# Altium PCB R32-Micro.PcbDoc (part 3 of 3)
Units mm, origin at the board's own origin, x right, y up, seen from the top; angles counter-clockwise.
Board outline 100 x 60 mm, 4 copper layers (Component Side, Ground Plane, Power Plane, Solder Side), stack 0.844 mm thick; 220 components, 197 nets, 1071 pads, 542 vias.
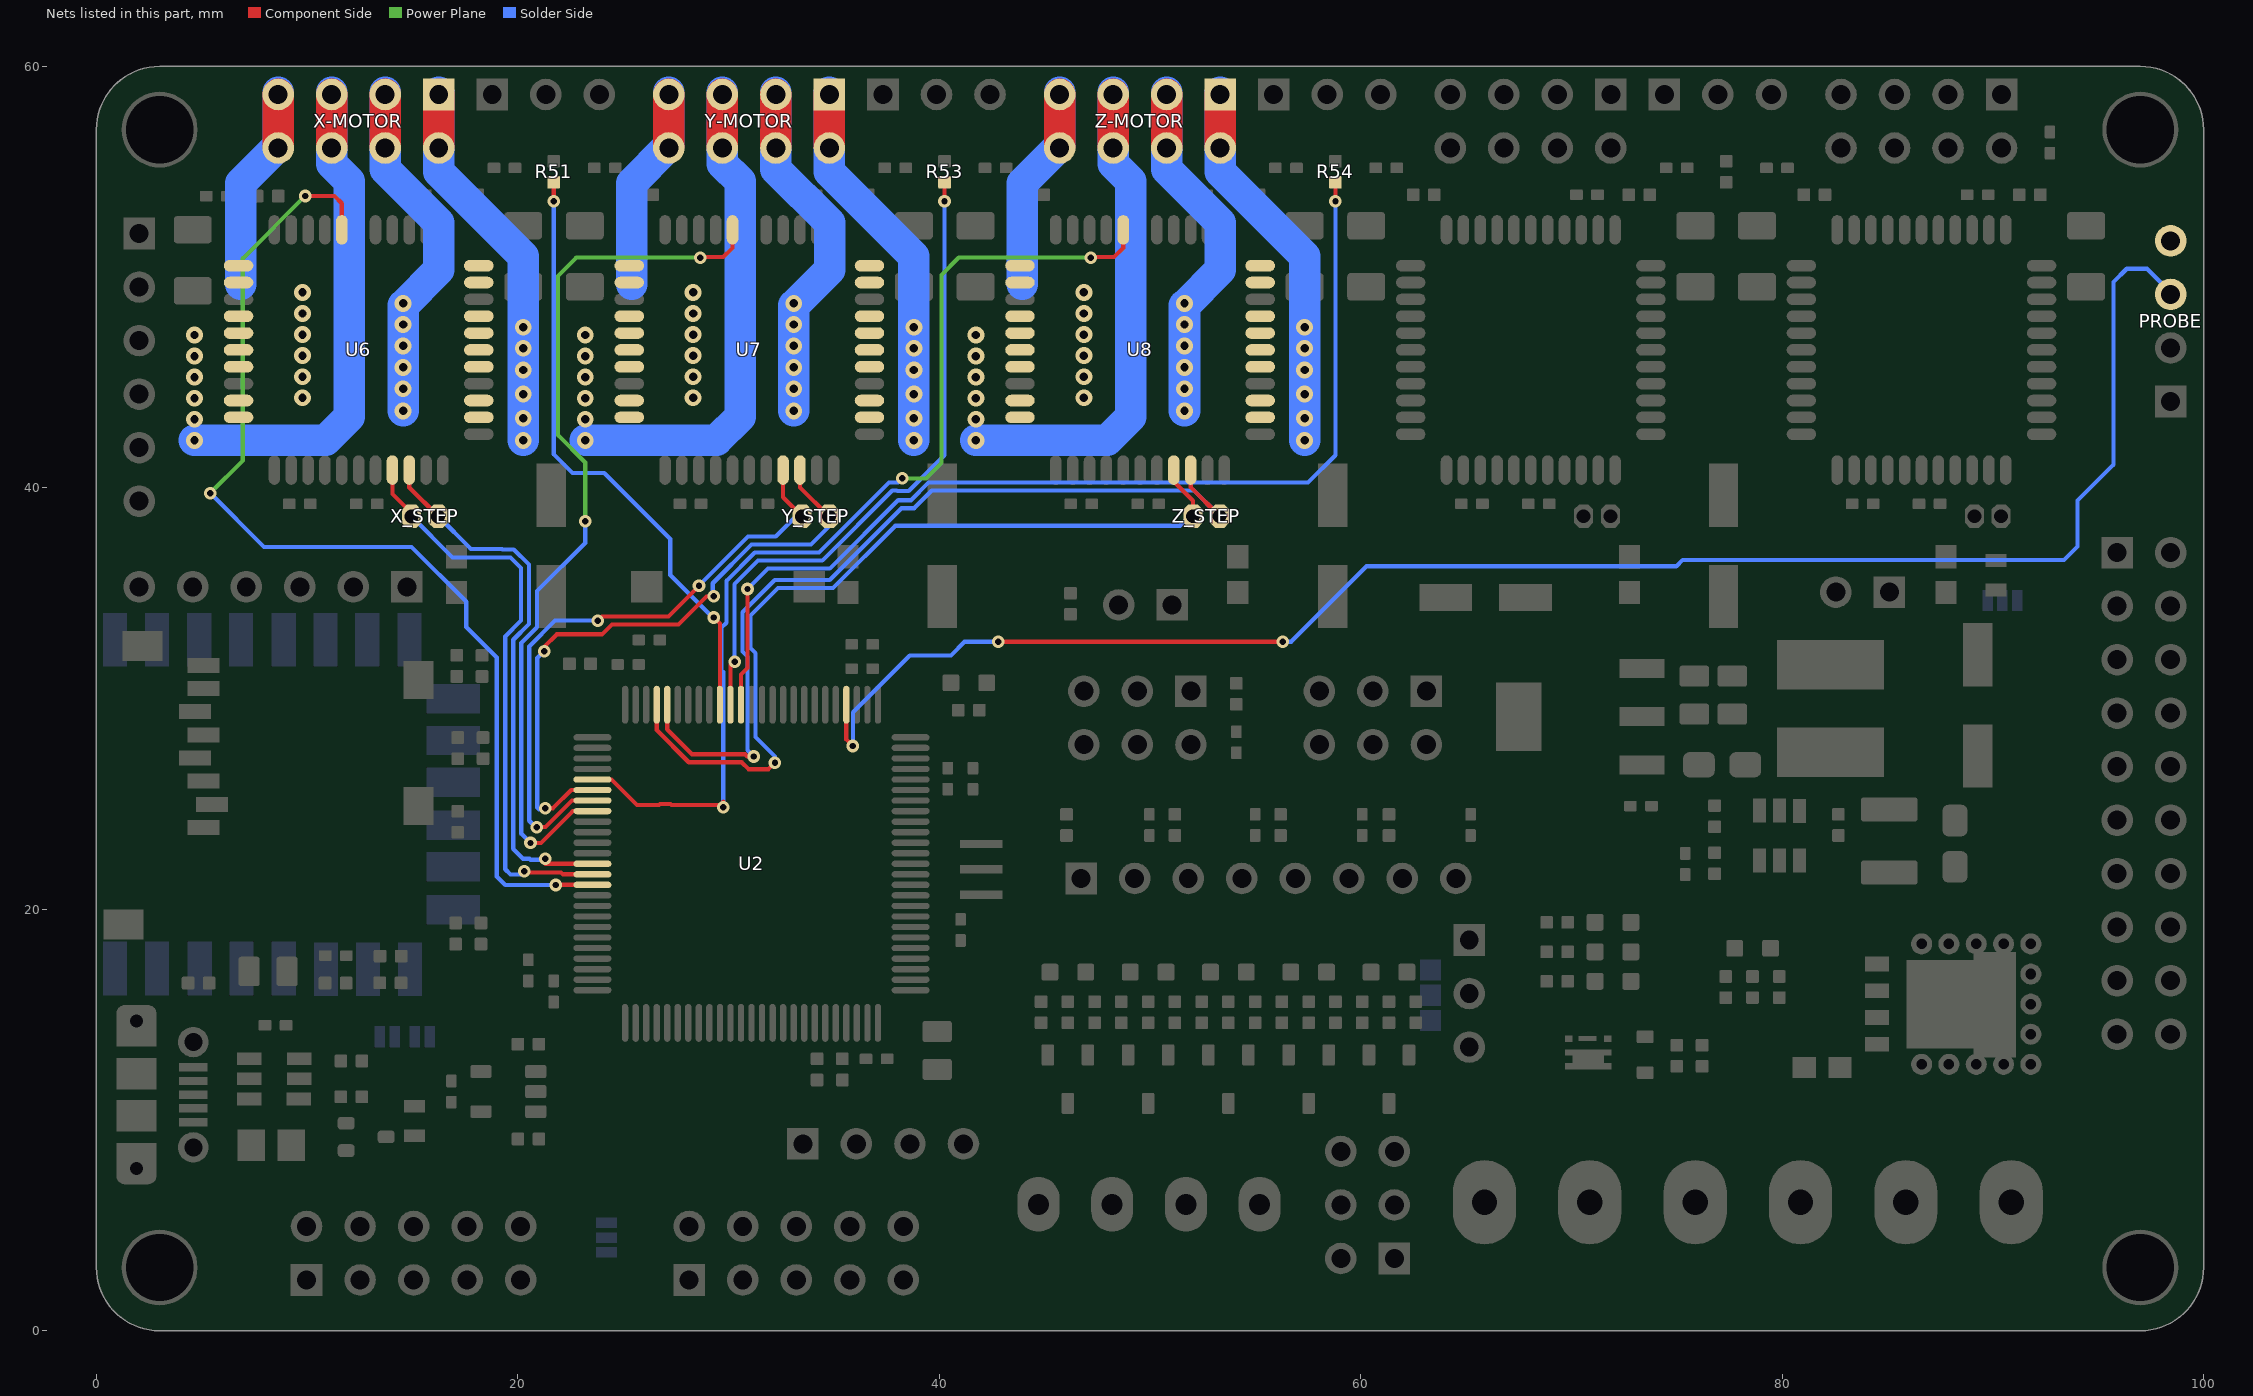
[diagram p5: the nets of this part, all layers, seen from the top]

## Via types
v1: diameter 0.6, hole 0.3, Component Side to Solder Side, tented both sides, 399 vias
v2: diameter 0.8, hole 0.4, Component Side to Solder Side, tented both sides, 132 vias
v3: diameter 1, hole 0.5, Component Side to Solder Side, tented both sides, 11 vias

## Nets (pads, with @x,y where several pads share a name; then routed paths per layer and width w, separated by ;. In a path a pad name is that pad's centre, name@x,y a point inside that pad or via, vN(x,y) a via of type N, cw(c..) or ccw(c..) an arc to the next point about the centre after c; other vN are vias at no path point) (continued)
X_CS: U2.65 U6.18 | length 51.7
  Component Side w0.2: v1(9.906,53.848) 11.303,53.848 11.646,53.505 U6.18@11.646,52.245 ; v1(21.8,21.15) 21.81,21.16 U2.65@23.54,21.16
  Power Plane w0.2: v1(5.4,39.75) 6.95,41.3 6.95,50.892 v1(9.906,53.848)
  Solder Side w0.2: v1(5.4,39.75) 7.95,37.2 14.95,37.2 17.55,34.6 17.55,33.4 19,31.95 19,21.55 19.4,21.15 v1(21.8,21.15)
X_DIR: U2.64 U6.41 X_STEP.2 | length 27.8
  Component Side w0.2: U6.41@14.046,40.845 14.046,39.704 14.95,38.8 X_STEP.2@14.95,38.65 ; v1(20.3,21.8) 20.3,21.75 22.049,21.75 22.139,21.66 U2.64@23.54,21.66
  Solder Side w0.2: X_STEP.2@14.95,38.65 16.9,36.7 19.65,36.7 20.15,36.2 20.15,33.7 19.4,32.95 19.4,21.9 19.65,21.65 20.15,21.65 v1(20.3,21.8)
X_MOT_1A: U6.5 U6.6 U6.10 U6.11 X-MOTOR.3 X-MOTOR.4 | length 19.3
  Component Side w1.5: X-MOTOR.4@13.706,56.228 X-MOTOR.3@13.706,58.668
  Solder Side w1.5: X-MOTOR.3@13.706,58.768 X-MOTOR.3@13.706,58.668 X-MOTOR.4@13.706,56.128 13.706,55.128 16.256,52.578 16.256,50.355 14.554,48.654 v2(14.554,47.752) v2(14.554,46.736) v2(14.554,45.72) v2(14.554,44.704) v2(14.554,43.654)
  other v2: 14.554,48.752
X_MOT_1B: U6.2 U6.3 U6.7 U6.8 X-MOTOR.1 X-MOTOR.2 | length 20.6
  Component Side w1.5: X-MOTOR.2@16.246,56.228 X-MOTOR.1@16.246,58.668
  Solder Side w1.5: X-MOTOR.1@16.246,58.768 X-MOTOR.1@16.246,58.668 X-MOTOR.2@16.246,56.128 16.246,55.001 20.254,50.992 v2(20.254,47.623) v2(20.254,46.623) v2(20.254,45.593) v2(20.254,44.45) v2(20.254,43.307) v2(20.254,42.254)
X_MOT_2A: U6.26 U6.27 U6.31 U6.32 X-MOTOR.5 X-MOTOR.6 | length 26
  Component Side w1.5: X-MOTOR.6@11.166,56.228 X-MOTOR.5@11.166,58.668
  Solder Side w1.5: v2(4.654,42.254) 10.885,42.254 12.004,43.373 12.004,54.544 11.166,55.382 X-MOTOR.6@11.166,56.128 X-MOTOR.5@11.166,58.668 X-MOTOR.5@11.166,58.768
  other v2: 4.654,43.254 4.654,44.254 4.654,45.254 4.654,46.254 4.654,47.254
X_MOT_2B: U6.23 U6.24 U6.28 U6.29 X-MOTOR.7 X-MOTOR.8 | length 12.3
  Component Side w1.5: X-MOTOR.8@8.626,56.228 X-MOTOR.7@8.626,58.668
  Solder Side w1.5: 6.858,49.657 6.858,54.46 8.576,56.178 8.626,56.228 X-MOTOR.7@8.626,58.668 X-MOTOR.7@8.626,58.768
  other v2: 9.779,44.276 9.779,45.276 9.779,46.276 9.779,47.276 9.779,48.276 9.779,49.276
X_STEP: U2.63 U6.42 X_STEP.1 | length 26.1
  Component Side w0.2: U6.42@14.846,40.845 14.846,40.024 X_STEP.1@16.22,38.65 ; v1(21.3,22.4) 21.3,22.17 21.31,22.16 U2.63@23.54,22.16
  Solder Side w0.2: X_STEP.1@16.22,38.65 17.77,37.1 19.25,37.1 19.27,37.08 19.807,37.08 20.53,36.357 20.53,33.543 19.78,32.793 19.78,22.87 20.25,22.4 20.548,22.4 20.598,22.35 21.3,22.35 v1(21.3,22.4)
X_STOP: R51.1 U2.41 | length 29
  Component Side w0.2: v1(21.7,53.6) R51.1@21.7,54.5 ; v1(29.3,33.85) 29.59,33.56 U2.41@29.59,29.71
  Solder Side w0.2: v1(21.7,53.6) 21.7,41.6 22.6,40.7 24.1,40.7 27.232,37.567 27.232,35.869 29.251,33.85 v1(29.3,33.85)
Y_CS: U2.58 U7.18 | length 42.1
  Component Side w0.2: v1(20.6,23.15) 21.1,23.15 22.61,24.66 U2.58@23.54,24.66 ; v1(28.65,50.927) 28.673,50.95 29.75,50.95 30.188,51.388 U7.18@30.188,52.245
  Power Plane w0.2: v1(23.2,38.42) 23.2,41.2 21.9,42.5 21.9,50.05 22.777,50.927 v1(28.65,50.927)
  Solder Side w0.2: v1(20.6,23.15) 20.16,23.59 20.16,32.635 20.91,33.385 20.91,35.1 23.2,37.39 v1(23.2,38.42)
Y_DIR: U2.57 U7.41 Y_STEP.2 | length 30
  Component Side w0.2: v1(20.9,23.9) 21.313,23.9 22.573,25.16 U2.57@23.54,25.16 ; v1(23.8,33.7) 24,33.9 27.15,33.9 v1(28.6,35.35) ; U7.41@32.588,40.845 32.588,39.554 Y_STEP.2@33.492,38.65
  Solder Side w0.2: v1(20.9,23.9) 20.84,23.9 20.54,24.2 20.54,32.478 21.762,33.7 v1(23.8,33.7) ; v1(28.6,35.35) 28.6,35.362 30.928,37.69 32.241,37.69 33.201,38.65 Y_STEP.2@33.492,38.65
Y_MOT_1A: U7.5 U7.6 U7.10 U7.11 Y-MOTOR.3 Y-MOTOR.4 | length 19.3
  Component Side w1.5: Y-MOTOR.4@32.248,56.228 Y-MOTOR.3@32.248,58.668
  Solder Side w1.5: Y-MOTOR.3@32.248,58.768 Y-MOTOR.3@32.248,58.668 Y-MOTOR.4@32.248,56.128 32.248,55.128 34.798,52.578 34.798,50.355 33.096,48.654 v2(33.096,47.752) v2(33.096,46.736) v2(33.096,45.72) v2(33.096,44.704) v2(33.096,43.654)
  other v2: 33.096,48.752
Y_MOT_1B: U7.2 U7.3 U7.7 U7.8 Y-MOTOR.1 Y-MOTOR.2 | length 20.6
  Component Side w1.5: Y-MOTOR.2@34.788,56.228 Y-MOTOR.1@34.788,58.668
  Solder Side w1.5: Y-MOTOR.1@34.788,58.768 Y-MOTOR.1@34.788,58.668 Y-MOTOR.2@34.788,56.128 34.788,55.001 38.796,50.992 v2(38.796,47.623) v2(38.796,46.623) v2(38.796,45.593) v2(38.796,44.45) v2(38.796,43.307) v2(38.796,42.254)
Y_MOT_2A: U7.26 U7.27 U7.31 U7.32 Y-MOTOR.5 Y-MOTOR.6 | length 26
  Component Side w1.5: Y-MOTOR.6@29.708,56.228 Y-MOTOR.5@29.708,58.668
  Solder Side w1.5: v2(23.196,42.254) 29.427,42.254 30.546,43.373 30.546,54.544 29.708,55.382 Y-MOTOR.6@29.708,56.128 Y-MOTOR.5@29.708,58.668 Y-MOTOR.5@29.708,58.768
  other v2: 23.196,43.254 23.196,44.254 23.196,45.254 23.196,46.254 23.196,47.254
Y_MOT_2B: U7.23 U7.24 U7.28 U7.29 Y-MOTOR.7 Y-MOTOR.8 | length 12.3
  Component Side w1.5: Y-MOTOR.8@27.168,56.228 Y-MOTOR.7@27.168,58.668
  Solder Side w1.5: 25.4,49.657 25.4,54.46 27.118,56.178 27.168,56.228 Y-MOTOR.7@27.168,58.668 Y-MOTOR.7@27.168,58.768
  other v2: 28.321,44.276 28.321,45.276 28.321,46.276 28.321,47.276 28.321,48.276 28.321,49.276
Y_STEP: U2.56 U7.42 Y_STEP.1 | length 30.4
  Component Side w0.2: v1(21.25,32.25) 21.25,32.45 21.849,33.049 23.998,33.049 24.469,33.52 27.619,33.52 28.948,34.85 v1(29.3,34.85) ; v1(21.3,24.8) 21.675,24.8 22.535,25.66 U2.56@23.54,25.66 ; U7.42@33.388,40.845 33.388,40.024 Y_STEP.1@34.762,38.65
  Solder Side w0.2: v1(21.25,32.25) 20.92,31.92 20.92,24.83 21,24.75 21.25,24.75 v1(21.3,24.8) ; v1(29.3,34.85) 29.25,34.9 29.25,35.475 31.085,37.31 33.91,37.31 34.762,38.162 Y_STEP.1@34.762,38.65
Y_STOP: R53.1 U2.40 | length 31.3
  Component Side w0.2: U2.40@30.09,29.71 30.09,31.59 v1@30.25,31.75 ; v1(40.25,53.6) R53.1@40.25,54.5
  Solder Side w0.2: v1@30.21,31.79 30.25,31.75 30.25,31.964 30.28,31.994 30.28,34.256 30.28,35.43 31.4,36.55 34.45,36.55 37.77,39.87 37.981,39.87 38.001,39.85 38.55,39.85 40.25,41.55 v1(40.25,53.6)
  other v1: 30.3,31.75
Z_CS: U2.55 U8.18 | length 48.9
  Component Side w0.2: U2.55@23.54,26.16 24.44,26.16 25.65,24.95 26.701,24.95 26.751,25 27.249,25 27.299,24.95 29.6,24.95 v1@29.75,25.1 ; v1@47.215,50.95 48.292,50.95 48.73,51.388 U8.18@48.73,52.245
  Power Plane w0.2: v1(38.25,40.45) 39.37,40.45 40.1,41.18 40.1,50.1 40.927,50.927 v1(47.192,50.927)
  Solder Side w0.2: v1@29.75,25.1 29.75,31.261 29.67,31.341 29.67,33.371 29.9,33.601 29.9,34.099 ; 29.9,34.099 29.9,35.587 31.243,36.93 34.293,36.93 37.613,40.25 38.05,40.25 v1(38.25,40.45)
  other v1: 29.75,24.85
Z_DIR: U2.47 U8.41 Z_STEP.2 | length 40.7
  Component Side w0.2: U2.47@26.59,29.71 26.59,28.503 28.113,26.98 30.621,26.98 30.951,26.65 31.9,26.65 v1(32.2,26.95) ; U8.41@51.13,40.845 51.13,40.296 52.039,39.387 Z_STEP.2@52.039,38.655
  Component Side w0.25: U8.41@51.138,40.845 U8.41@51.138,40.854
  Solder Side w0.2: v1(32.2,26.95) 32.2,27.25 31.28,28.17 31.28,32.156 31.04,32.396 31.04,33.939 32.351,35.25 34.96,35.25 37.914,38.204 51.42,38.204 51.87,38.655 Z_STEP.2@52.039,38.655
Z_MOT_1A: U8.5 U8.6 U8.10 U8.11 Z-MOTOR.3 Z-MOTOR.4 | length 19.3
  Component Side w1.5: Z-MOTOR.4@50.79,56.228 Z-MOTOR.3@50.79,58.668
  Solder Side w1.5: Z-MOTOR.3@50.79,58.768 Z-MOTOR.3@50.79,58.668 Z-MOTOR.4@50.79,56.128 50.79,55.128 53.34,52.578 53.34,50.355 51.638,48.654 v2(51.638,47.752) v2(51.638,46.736) v2(51.638,45.72) v2(51.638,44.704) v2(51.638,43.654)
  other v2: 51.638,48.752
Z_MOT_1B: U8.2 U8.3 U8.7 U8.8 Z-MOTOR.1 Z-MOTOR.2 | length 20.6
  Component Side w1.5: Z-MOTOR.2@53.33,56.228 Z-MOTOR.1@53.33,58.668
  Solder Side w1.5: Z-MOTOR.1@53.33,58.768 Z-MOTOR.1@53.33,58.668 Z-MOTOR.2@53.33,56.128 53.33,55.001 57.338,50.992 v2(57.338,47.623) v2(57.338,46.623) v2(57.338,45.593) v2(57.338,44.45) v2(57.338,43.307) v2(57.338,42.254)
Z_MOT_2A: U8.26 U8.27 U8.31 U8.32 Z-MOTOR.5 Z-MOTOR.6 | length 26
  Component Side w1.5: Z-MOTOR.6@48.25,56.228 Z-MOTOR.5@48.25,58.668
  Solder Side w1.5: v2(41.738,42.254) 47.969,42.254 49.088,43.373 49.088,54.544 48.25,55.382 Z-MOTOR.6@48.25,56.128 Z-MOTOR.5@48.25,58.668 Z-MOTOR.5@48.25,58.768
  other v2: 41.738,43.254 41.738,44.254 41.738,45.254 41.738,46.254 41.738,47.254
Z_MOT_2B: U8.23 U8.24 U8.28 U8.29 Z-MOTOR.7 Z-MOTOR.8 | length 12.3
  Component Side w1.5: Z-MOTOR.8@45.71,56.228 Z-MOTOR.7@45.71,58.668
  Solder Side w1.5: 43.942,49.657 43.942,54.46 45.66,56.178 45.71,56.228 Z-MOTOR.7@45.71,58.668 Z-MOTOR.7@45.71,58.768
  other v2: 46.863,44.276 46.863,45.276 46.863,46.276 46.863,47.276 46.863,48.276 46.863,49.276
Z_PROBE: PROBE.3 U2.29 | length 81.9
  Component Side w0.2: U2.29@35.59,29.71 35.59,28.06 v1(35.9,27.75) ; v1(42.8,32.7) v1(56.3,32.7)
  Solder Side w0.2: v1(35.9,27.75) 35.9,29.35 38.6,32.05 40.551,32.05 41.201,32.7 v1(42.8,32.7) ; v1(56.3,32.7) 56.7,32.7 60.28,36.28 74.98,36.28 75.28,36.58 93.38,36.58 94.015,37.215 94.015,39.395 95.72,41.1 95.72,49.769 96.351,50.4 97.32,50.4 PROBE.3@98.54,49.18
Z_PROBEA: PROBE.4 | length 0
  Component Side w0.2: PROBE.4@98.545,51.715 PROBE.4@98.55,51.72
Z_STEP: U2.46 U8.42 Z_STEP.1 | length 41.2
  Component Side w0.2: U2.46@27.09,29.71 27.09,28.54 28.27,27.36 30.779,27.36 30.889,27.25 v1(31.2,27.25) ; U8.42@51.93,40.845 51.93,40.033 Z_STEP.1@53.309,38.655
  Solder Side w0.2: v1(31.2,27.25) 30.9,27.55 30.9,31.998 30.66,32.238 30.66,34.096 32.194,35.63 34.803,35.63 38.208,39.035 38.809,39.035 39.645,39.87 52.093,39.87 Z_STEP.1@53.309,38.655
Z_STOP: R54.1 U2.39 | length 49.1
  Component Side w0.2: U2.39@30.59,29.71 30.59,31.141 30.9,31.451 v1(30.9,35.2) ; v1(58.8,53.6) R54.1@58.8,54.5
  Solder Side w0.2: v1(30.9,35.2) 31.87,36.17 34.806,36.17 38.05,39.415 38.652,39.415 39.487,40.25 57.5,40.25 58.8,41.55 v1(58.8,53.6)
pads on no net: A1.9 A1.10 A1.11 A1.12 A1.13 A1.14 C1.0 C2.0 C3.0 C4.0 C5.0 C6.0 C7.0 C8.0 C9.0 C10.0 C11.0 C12.0 C13.0 C14.0 C15.0 C16.0 C18.0 C19.0 C20.0 C22.0 C23.0 C24.0 C25.0 C27.0 C28.0 C29.0 C35.0 C36.0 C37.0 C38.0 C39.0 C40.0 C41.0 C42.0 C43.0 C44.0 C45.0 C46.0 C47.0 C48.0 C53.0 C54.0 C55.0 C56.0 C57.0 C58.0 C59.0 C60.0 C61.0 C62.0 D1.0 D1.2 D3.0 J6.4 J6.5 J6.6 J6.7 J6.ID LD1.0 LD2.0 LD3.0 LD4.0 LD5.0 LD6.0 LD7.0 LD8.0 LD9.0 LD10.0 MH1.M3 MH2.M3 MH3.M3 MH4.M3 Q1.0 Q2.0 Q3.0 Q4.0 Q6.0 R1.0 R2.0 R3.0 R4.0 R5.0 R6.0 R10.0 R11.0 R12.0 R13.0 R14.0 R15.0 R16.0 R17.0 R21.0 R22.0 R23.0 R24.0 R25.0 R26.0 R27.0 R28.0 R29.0 R30.0 R31.0 R32.0 R33.0 R34.0 R35.0 R36.0 R37.0 R38.0 R41.0 R42.0 R43.0 R44.0 R45.0 R46.0 R49.0 R50.0 R51.0 R52.0 R53.0 R54.0 R55.0 R56.0 R57.0 R58.0 R59.0 R60.0 R61.0 R62.0 R63.0 R64.0 R65.0 R66.0 R67.0 R68.0 R69.0 R70.0 R71.0 R72.0 R73.0 R74.0 R75.0 R76.0 R77.0 R78.0 R79.0 R80.0 R81.0 R82.0 R83.0 R84.0 R85.0 U1.1 U1.2 U1.8 U6.20 U6.34 U6.37 U6.38 U7.20 U7.34 U7.37 U7.38 U8.20 U8.34 U8.37 U8.38 U9.20 U9.34 U9.37 U9.38 U10.20 U10.34 U10.37 U10.38 U11.0

## Polygon pours and split planes (outlines as drawn)
HB_GND on Component Side "HB_GND_L01_P124" (solid, pour order 124): 73.45,0 73.45,12.6 76.3,15.45 76.3,19.9 85.5,19.9 85.5,14.3 82.45,13 82.45,11.05 80.873,9.473 80.873,0
GND on Component Side "GND_L01_P187" (solid, remove dead copper, pour order 187): 0,60 0,0 100,0 100,60
GND on Component Side "GND_L01_P148" (solid, remove dead copper, pour order 148): 95.377,51.816 93.599,51.816 93.599,56.515 93.526,56.588 92.21,56.588 92.21,58.539 94.234,58.547 94.234,55.499 95.504,54.229 96.647,54.229 96.647,51.816 96.647,51.308 95.44,51.308
VIN1 on Component Side "Bottom Layer-MPU-GND" (solid, remove dead copper, pour order 144): 80.876,45.204 93.281,45.204 93.281,40.894 95.948,40.894 97.282,40.894 97.282,35.954 95.123,35.954 76.708,35.954 76.708,40.894 80.01,40.894 80.01,45.204
NetC58_2 on Component Side "Bottom Layer-MPU-GND" (solid, remove dead copper, pour order 143): 92.076,48.704 95.376,48.704 95.376,50.004 95.376,52.197 94.383,52.197 93.376,53.204 93.376,56.204 92.076,56.204 92.076,50.304
NetC60_2 on Component Side "Bottom Layer-MPU-GND" (solid, remove dead copper, pour order 142): 81.168,48.704 77.868,48.704 77.868,50.004 77.868,52.197 78.861,52.197 79.868,53.204 79.868,56.204 81.168,56.204 81.168,50.304
NetC59_2 on Component Side "Bottom Layer-MPU-GND" (solid, remove dead copper, pour order 141): 62.626,48.704 59.326,48.704 59.326,50.004 59.326,52.197 60.319,52.197 61.326,53.204 61.326,56.204 62.626,56.204 62.626,50.304
NetC57_2 on Component Side "Bottom Layer-MPU-GND" (solid, remove dead copper, pour order 140): 73.534,48.704 76.834,48.704 76.834,50.004 76.834,52.197 75.841,52.197 74.834,53.204 74.834,56.204 73.534,56.204 73.534,50.304
VIN1 on Component Side "Bottom Layer-MPU-GND" (solid, remove dead copper, pour order 139): 62.334,45.204 74.739,45.204 74.739,40.894 77.406,40.894 79.629,40.894 79.629,35.954 76.581,35.954 72.25,35.954 72.25,30.6 69.35,30.6 69.35,35.954 58.166,35.954 58.166,40.894 61.468,40.894 61.468,45.204
VIN1 on Component Side "Bottom Layer-MPU-GND" (solid, remove dead copper, pour order 138): 43.792,45.204 56.197,45.204 56.197,40.894 58.864,40.894 61.087,40.894 61.087,35.954 58.039,35.954 39.624,35.954 39.624,40.894 42.926,40.894 42.926,45.204
NetC43_2 on Component Side "Bottom Layer-MPU-GND" (solid, remove dead copper, pour order 137): 54.992,48.704 58.292,48.704 58.292,50.004 58.292,52.197 57.299,52.197 56.292,53.204 56.292,56.204 54.992,56.204 54.992,50.304
NetC46_2 on Component Side "Bottom Layer-MPU-GND" (solid, remove dead copper, pour order 136): 44.084,48.704 40.784,48.704 40.784,50.004 40.784,52.197 41.777,52.197 42.784,53.204 42.784,56.204 44.084,56.204 44.084,50.304
VIN1 on Component Side "Bottom Layer-MPU-GND" (solid, remove dead copper, pour order 135): 6.708,45.204 19.113,45.204 19.113,41.2 24.003,41.2 24.003,35.954 20.955,35.954 3.81,35.954 3.81,40.894 5.842,40.894 5.842,45.204
NetC41_2 on Component Side "Bottom Layer-MPU-GND" (solid, remove dead copper, pour order 134): 17.908,48.704 21.208,48.704 21.208,50.004 21.208,52.197 20.215,52.197 19.208,53.204 19.208,56.204 17.908,56.204 17.908,50.304
NetC44_2 on Component Side "Bottom Layer-MPU-GND" (solid, remove dead copper, pour order 133): 7,48.704 3.7,48.704 3.7,50.004 3.7,52.197 4.693,52.197 5.7,53.204 5.7,56.204 7,56.204 7,50.304
NetC45_2 on Component Side "Bottom Layer-MPU-GND" (solid, remove dead copper, pour order 130): 25.542,48.704 22.242,48.704 22.242,50.004 22.242,52.197 23.235,52.197 24.242,53.204 24.242,56.204 25.542,56.204 25.542,50.304
NetC42_2 on Component Side "Bottom Layer-MPU-GND" (solid, remove dead copper, pour order 129): 36.45,48.704 39.75,48.704 39.75,50.004 39.75,52.197 38.757,52.197 37.75,53.204 37.75,56.204 36.45,56.204 36.45,50.304
VIN1 on Component Side "Bottom Layer-MPU-GND" (solid, remove dead copper, pour order 128): 25.25,45.204 37.655,45.204 37.655,40.894 40.322,40.894 42.545,40.894 42.545,35.954 39.497,35.954 21.082,35.954 21.082,40.894 24.384,40.894 24.384,45.204
NetHE0_2 on Component Side "NETHE0_2_L01_P132" (solid, remove dead copper, pour order 132): 48.2,11.45 45.25,11.45 45.25,10 43,10 43,2.45 46.346,2.45 46.346,6.75 48.2,6.75
GND on Component Side "GND_L01_P149" (solid, pour order 149): 43,15.097 43,10.05 62.705,10.05 62.705,2.1 67.95,2.1 67.95,12.1 63.5,12.1 63.5,15.15
NetHE1_2 on Component Side "NETHE1_2_L01_P131" (solid, remove dead copper, pour order 131): 48.296,11.473 50.842,11.473 50.842,9.95 54.5,9.95 56.625,7.675 54.5,5.55 54.5,2.45 50,2.45 50,6.75 48.75,6.75 48.296,7.557
NetHB-OUT1_1 on Component Side "NETHB-OUT1_1_L01_P151" (solid, pour order 151): 81,5.2 83.2,3 87.65,0 100,0 100,10.175 96.175,10.175 94.2,12.15 94.2,19.8 81,19.8
+3V3 on Component Side "+3V3_L01_P153" (solid, pour order 153): 69.4,25.8 69.4,28.2 74.7,28.2 74.7,30.4 69.4,30.4 69.4,35.9 65,35.9 65,32.1 64.5,32.1 64.5,30.3 64.5,25.8 66.4,25.8
NetC20_1 on Component Side "NETC20_1_L01_P155" (solid, pour order 155): 79.3,23.876 77.716,23.876 77.716,29.7 86.3,29.7 86.3,26.1 79.3,26.1
VIN on Component Side "VIN_L01_P154" (solid, pour order 154): 79.494,23.9 79.494,26 85.979,26 85.979,29.221 85.9,29.3 91.3,29.3 91.3,24 91.17,24.13 81.6,24.13 80.429,25.065 80.429,23.9
NetMAIN-PWR1_2 on Component Side "NETMAIN-PWR1_2_L01_P125" (solid, pour order 125): 68.8,13.4 68.8,0 73.35,0 73.35,13.4
VIN1 on Component Side "VIN1_L01_P127" (solid, pour order 127): 71.1,13.6 73,13.6 74.4,13.6 74.4,13.7 76.3,15.6 76.3,20.6 74,20.6 74,16 73.6,15.6 71.1,15.6
VIN1 on Component Side "VIN1_L01_P146" (solid, pour order 146): 69.3,13.6 69,13.6 68.65,13.25 68.65,0.2 46.55,0.2 46.55,10.45 62.95,10.45 62.95,12.5 64.8,14.5 65.9,15.6 69.3,15.6
HB_GND on Ground Plane "HB_GND_L02_P186" (solid, pour order 186): 73.9,0 73.9,9.1 73.9,9.6 76.3,12 76.3,18.95 76.7,19.35 93.9,19.35 94.3,18.95 94.3,12.408 94.708,12 100,12 100,4.5 94.6,0
GND on Ground Plane "GND_L02_P191" (solid, remove dead copper, pour order 191): 0,0 100,0 100,59.924 100.076,60 0,60
GND on Ground Plane "GND_L02_P193" (solid, pour order 193): 19.177,21.082 22.606,21.082 22.606,11.43 19.177,11.43
HB_GND on Power Plane "HB_GND_L03_P181" (solid, pour order 181): 73.9,0 73.9,9.6 76.3,12 76.3,19.9 85.5,19.9 85.5,14.3 82.45,13 82.45,6.95 82.45,0
NetMAIN-PWR1_2 on Power Plane "NETMAIN-PWR1_2_L03_P145" (solid, pour order 145): 66.8,12.3 76.3,12.3 76.3,10.4 73.75,7.85 73.75,0.25 68.5,0.25 68.5,8.8 66.8,10.5
VIN1 on Power Plane "VIN1_L03_P147" (solid, pour order 147): 66.8,12.5 72.8,12.5 76.3,12.5 76.3,20.25 74.55,20.25 70.45,20.25 66.8,16.6 65.15,14.85
NetHB-OUT1_1 on Power Plane "NETHB-OUT1_1_L03_P158" (solid, pour order 158): 82.4,3.8 86.2,0 100,0 100,13.15 94.2,13.15 94.2,20.5 82.4,20.5
+3V3 on Power Plane "+3V3_L03_P182" (solid, remove dead copper, pour order 182): 0,60 0,0 100,0 100,60
VIN1 on Power Plane "VIN1_L03_P126" (solid, pour order 126): 70.2,13.6 69,13.6 68.55,13.15 68.55,0.2 62.25,0.2 39.8,0.2 42.655,3.055 42.655,14.5 55.22,14.32 57.9,17 63.609,17 66.509,19.9 70.2,21.55
HB_GND on Solder Side "HB_GND_L04_P150" (solid, remove dead copper, pour order 150): 73.35,0 73.35,19.9 85.2,19.9 85.2,14.172 82.45,13 82.45,11.05 82.45,0
VIN1 on Solder Side "VIN1_L04_P183" (solid, remove dead copper, pour order 183): 73.1,13.6 69,13.6 68.6,13.2 68.6,0.2 62.6,0.2 62.6,9.3 62.6,17.35 64.842,19.592 73.1,19.592
NetMAIN-PWR1_2 on Solder Side "NETMAIN-PWR1_2_L04_P184" (solid, pour order 184): 68.7,13.4 68.7,0 73.3,0 73.3,13.4
E1_MOT_1B on Solder Side "E1_MOT_1B_L04_P180" (solid, pour order 180): 91.268,41 91.236,41.032 91.236,52.924 89.068,55.1 89.068,60.1 91.568,60.1 91.568,56 95.568,52 95.568,41
E1_MOT_1A on Solder Side "E1_MOT_1A_L04_P179" (solid, pour order 179): 87.168,41 87.168,55 87.168,55.1 86.468,55.8 86.468,60 89.068,60 89.068,55.1 91.268,52.9 91.268,41 87.968,41
E1_MOT_2B on Solder Side "E1_MOT_2B_L04_P178" (solid, pour order 178): 81.457,43.103 85.026,43.103 85.026,54.042 84.168,54.9 84.168,60.1 81.668,60.1 81.668,56.3 80.067,54.699 80.076,48.663 80.076,43.208 79.968,43.1
E1_MOT_2A on Solder Side "E1_MOT_2A_L04_P177" (solid, pour order 177): 77.568,54.3 77.568,41 86.868,41 87.068,41.2 87.068,54.8 86.468,55.4 86.468,60 84.168,60 84.168,55 84.168,54 85.168,53 85.168,43.5 84.768,43.1 81.457,43.103 81.457,47.289 81.468,47.3 80.168,48.6 80.168,54.3
E0_MOT_2A on Solder Side "E0_MOT_2A_L04_P176" (solid, pour order 176): 59.026,54.3 59.026,41 68.326,41 68.526,41.2 68.526,54.8 67.926,55.4 67.926,60 65.626,60 65.626,55 65.626,54 66.626,53 66.626,43.5 66.226,43.1 62.915,43.103 62.915,47.289 62.926,47.3 61.626,48.6 61.626,54.3
E0_MOT_2B on Solder Side "E0_MOT_2B_L04_P175" (solid, pour order 175): 62.915,43.103 66.484,43.103 66.484,54.042 65.626,54.9 65.626,60.1 63.126,60.1 63.126,56.3 61.525,54.699 61.534,48.663 61.534,43.208 61.426,43.1
E0_MOT_1A on Solder Side "E0_MOT_1A_L04_P174" (solid, pour order 174): 68.626,41 68.626,55 68.626,55.1 67.926,55.8 67.926,60 70.526,60 70.526,55.1 72.726,52.9 72.726,41 69.426,41
E0_MOT_1B on Solder Side "E0_MOT_1B_L04_P173" (solid, pour order 173): 72.726,41 72.694,41.032 72.694,52.924 70.526,55.1 70.526,60.1 73.026,60.1 73.026,56 77.026,52 77.026,41
Z_MOT_1B on Solder Side "Z_MOT_1B_L04_P172" (solid, pour order 172): 54.184,41 54.152,41.032 54.152,52.924 51.984,55.1 51.984,60.1 54.484,60.1 54.484,56 58.484,52 58.484,41
Z_MOT_1A on Solder Side "Z_MOT_1A_L04_P171" (solid, pour order 171): 50.084,41 50.084,55 50.084,55.1 49.384,55.8 49.384,60 51.984,60 51.984,55.1 54.184,52.9 54.184,41 50.884,41
Z_MOT_2B on Solder Side "Z_MOT_2B_L04_P170" (solid, pour order 170): 44.373,43.103 47.942,43.103 47.942,54.042 47.084,54.9 47.084,60.1 44.584,60.1 44.584,56.3 42.983,54.699 42.992,48.663 42.992,43.208 42.884,43.1
Z_MOT_2A on Solder Side "Z_MOT_2A_L04_P169" (solid, pour order 169): 40.484,54.3 40.484,41 49.784,41 49.984,41.2 49.984,54.8 49.384,55.4 49.384,60 47.084,60 47.084,55 47.084,54 48.084,53 48.084,43.5 47.684,43.1 44.373,43.103 44.373,47.289 44.384,47.3 43.084,48.6 43.084,54.3
Y_MOT_2A on Solder Side "Y_MOT_2A_L04_P164" (solid, pour order 164): 21.942,54.3 21.942,41 31.242,41 31.442,41.2 31.442,54.8 30.842,55.4 30.842,60 28.542,60 28.542,55 28.542,54 29.542,53 29.542,43.5 29.142,43.1 25.831,43.103 25.831,47.289 25.842,47.3 24.542,48.6 24.542,54.3
Y_MOT_2B on Solder Side "Y_MOT_2B_L04_P168" (solid, pour order 168): 25.831,43.103 29.4,43.103 29.4,54.042 28.542,54.9 28.542,60.1 26.042,60.1 26.042,56.3 24.441,54.699 24.45,48.663 24.45,43.208 24.342,43.1
Y_MOT_1A on Solder Side "Y_MOT_1A_L04_P166" (solid, pour order 166): 31.542,41 31.542,55 31.542,55.1 30.842,55.8 30.842,60 33.442,60 33.442,55.1 35.642,52.9 35.642,41 32.342,41
Y_MOT_1B on Solder Side "Y_MOT_1B_L04_P165" (solid, pour order 165): 35.642,41 35.61,41.032 35.61,52.924 33.442,55.1 33.442,60.1 35.942,60.1 35.942,56 39.942,52 39.942,41
X_MOT_1B on Solder Side "X_MOT_1B_L04_P163" (solid, pour order 163): 17.068,40.9 17.068,52.824 14.9,55 14.9,60 17.4,60 17.4,55.9 21.4,51.9 21.4,40.9
X_MOT_1A on Solder Side "X_MOT_1A_L04_P162" (solid, pour order 162): 13,40.9 13,54.9 13,55 12.3,55.7 12.3,59.9 14.9,59.9 14.9,55 17.1,52.8 17.1,40.9 13.8,40.9
X_MOT_2B on Solder Side "X_MOT_2B_L04_P161" (solid, pour order 161): 7.289,43.003 11.097,43.003 11.097,53.703 10,54.8 10,60 7.5,60 7.5,56.2 5.899,54.599 5.908,48.563 5.908,43.108 5.8,43
X_MOT_2A on Solder Side "X_MOT_2A_L04_P160" (solid, pour order 160): 3.4,54.2 3.4,40.9 12.9,40.9 12.9,54.7 12.3,55.3 12.3,59.9 10,59.9 10,54.9 10,53.9 11,52.9 11,43.4 10.6,43 7.289,43.003 7.289,47.189 7.3,47.2 6,48.5 6,54.2
+3V3 on Solder Side "+3V3_L04_P159" (solid, remove dead copper, pour order 159): 66,21 76,21 76,33 64,33 64,21
GND on Solder Side "GND_L04_P185" (solid, remove dead copper, pour order 185): 0,60 0,0 100,0 100,60
NetHB-OUT1_1 on Solder Side "NETHB-OUT1_1_L04_P152" (solid, pour order 152): 82.4,3.8 83.2,3 93.3,3 94.2,3.9 94.2,19.812 82.4,19.812
NetHE0_2 on Solder Side "NETHE0_2_L04_P156" (solid, pour order 156): 48.105,9.5 42.856,9.5 42.856,1.25 48.105,1.25
NetHE1_2 on Solder Side "NETHE1_2_L04_P157" (solid, pour order 157): 53.705,9.5 48.305,9.5 48.305,1.25 53.705,1.25

## Keep-outs
Keep-Out Layer:
  circle w1: c97,57 r2.2
  circle w1: c3,57 r2.2
  circle w1: c3,3 r2.2
  circle w1: c97,3 r2.2
  circle w0.1: c97,3 r3
  circle w0.1: c3,3 r3
  circle w0.1: c3,57 r3
  circle w0.1: c97,57 r3
  lines w0.1: 0,0 100,0 100,60 0,60 0,0

## Other copper
Component Side:
  rectangle net VIN1: 69.5,34.15 71.9,36.1
  rectangle net GND: 72.257,33.1 81.534,35.687
  rectangle net GND: 53.34,33.274 65.3,35.687
  rectangle net GND: 35.178,33.65 44.45,35.687
  rectangle net GND: 77.868,52.304 79.668,56.154
  rectangle net GND: 59.4,52.304 61.126,56.154
  region net GND: 76.834,56.154 75.034,56.154 75.034,52.304 76.834,52.304
  region net GND: 58.2,56.154 56.492,56.154 56.492,52.304 58.2,52.304
  rectangle net GND: 40.9,52.304 42.584,56.154
  region net GND: 21.1,56.154 19.408,56.154 19.408,52.304 21.1,52.304
  rectangle net GND: 16.256,34.5 26.8,35.8
  rectangle net GND: 22.242,52.304 24.042,56.154
  region net GND: 39.6,56.154 37.95,56.154 37.95,52.304 39.6,52.304
  rectangle net NetFANS_2: 52.455,10 54.955,11.5
  rectangle net NetFANS_4: 56.265,10 58.765,11.5
  rectangle net NetFANS_6: 60.075,10 62.575,11.5
  region net VIN1: 71.3,13.6 71.3,15.6 69,15.6 69,13.6
  region net E1_MOT_1B: 91.768,43.079 93.468,43.079 93.468,41.4 95.726,41.4 95.726,48.379 91.768,48.379 91.768,47.079 93.468,47.079 93.468,44.379 91.768,44.379
  region net E0_MOT_1B: 73.226,43.079 74.926,43.079 74.926,41.4 77.184,41.4 77.184,48.379 73.226,48.379 73.226,47.079 74.926,47.079 74.926,44.379 73.226,44.379
  region net E1_MOT_2A: 81.476,43.079 79.776,43.079 79.776,41.4 77.384,41.4 77.384,48.379 79.776,48.379 81.476,48.379 81.476,47.079 79.776,47.079 79.776,44.379 81.476,44.379
  region net Z_MOT_1B: 54.684,43.079 56.384,43.079 56.384,41.4 58.642,41.4 58.642,48.379 54.684,48.379 54.684,47.079 56.384,47.079 56.384,44.379 54.684,44.379
  region net E0_MOT_2A: 62.934,43.079 61.234,43.079 61.234,41.4 58.842,41.4 58.842,48.379 61.234,48.379 62.934,48.379 62.934,47.079 61.234,47.079 61.234,44.379 62.934,44.379
  region net X_MOT_2A: 7.308,43.079 5.608,43.079 5.608,41.4 3.85,41.4 3.85,48.379 5.608,48.379 7.308,48.379 7.308,47.079 5.608,47.079 5.608,44.379 7.308,44.379
  region net X_MOT_1B: 17.6,43.079 19.3,43.079 19.3,41.4 21.558,41.4 21.558,48.379 17.6,48.379 17.6,47.079 19.3,47.079 19.3,44.379 17.6,44.379
  region net Y_MOT_2A: 25.85,43.079 24.15,43.079 24.15,41.4 21.758,41.4 21.758,48.379 24.15,48.379 25.85,48.379 25.85,47.079 24.15,47.079 24.15,44.379 25.85,44.379
  region net X_MOT_1A: 18.908,45.504 16.2,45.504 16.2,41.8 12.532,41.8 12.532,50.419 15.113,50.419 15.698,51.004 16.9,51.004 16.9,50.804 18.608,50.804 18.608,49.504 16.9,49.504 16.9,46.804 18.908,46.804
  region net X_MOT_2B: 5.808,45.504 8.708,45.504 8.708,41.8 12.332,41.8 12.332,50.419 8.671,50.419 8.232,50.804 6.408,50.804 6.408,49.504 8.008,49.504 8.008,46.804 5.808,46.804
  region net Y_MOT_1A: 37.45,45.504 34.742,45.504 34.742,41.8 31.074,41.8 31.074,50.419 33.655,50.419 34.24,51.004 35.442,51.004 35.442,50.804 37.15,50.804 37.15,49.504 35.442,49.504 35.442,46.804 37.45,46.804
  region net Y_MOT_2B: 24.35,45.504 27.25,45.504 27.25,41.8 30.874,41.8 30.874,50.419 27.213,50.419 26.774,50.804 24.95,50.804 24.95,49.504 26.55,49.504 26.55,46.804 24.35,46.804
  region net Z_MOT_1A: 55.992,45.504 53.284,45.504 53.284,41.8 49.616,41.8 49.616,50.419 52.197,50.419 52.782,51.004 53.984,51.004 53.984,50.804 55.692,50.804 55.692,49.504 53.984,49.504 53.984,46.804 55.992,46.804
  region net Z_MOT_2B: 42.892,45.504 45.792,45.504 45.792,41.8 49.416,41.8 49.416,50.419 45.755,50.419 45.316,50.804 43.492,50.804 43.492,49.504 45.092,49.504 45.092,46.804 42.892,46.804
  region net E0_MOT_1A: 74.534,45.504 71.826,45.504 71.826,41.8 68.158,41.8 68.158,50.419 70.739,50.419 71.324,51.004 72.526,51.004 72.526,50.804 74.234,50.804 74.234,49.504 72.526,49.504 72.526,46.804 74.534,46.804
  region net E0_MOT_2B: 61.434,45.504 64.334,45.504 64.334,41.8 67.958,41.8 67.958,50.419 64.297,50.419 63.858,50.804 62.034,50.804 62.034,49.504 63.634,49.504 63.634,46.804 61.434,46.804
  region net +3V3: 71.95,28.2 71.95,30.2 71.95,30.35 74.7,30.35 74.7,28.2
  region net E1_MOT_2B: 79.976,45.504 82.876,45.504 82.876,41.8 86.5,41.8 86.5,50.419 82.839,50.419 82.4,50.804 80.576,50.804 80.576,49.504 82.176,49.504 82.176,46.804 79.976,46.804
  region net E1_MOT_1A: 93.076,45.504 90.368,45.504 90.368,41.8 86.7,41.8 86.7,50.419 89.281,50.419 89.866,51.004 91.068,51.004 91.068,50.804 92.776,50.804 92.776,49.504 91.068,49.504 91.068,46.804 93.076,46.804
  region net Z_MOT_2A: 44.392,43.079 42.692,43.079 42.692,41.4 40.3,41.4 40.3,48.379 42.692,48.379 44.392,48.379 44.392,47.079 42.692,47.079 42.692,44.379 44.392,44.379
  region net GND: 79.494,22.606 79.494,21.209 79.05,21.209 79.05,21.1 86.606,21.1 86.606,23.622 83.558,23.622 83.558,22.9 81.7,22.9 81.7,21.5 80.256,21.5 80.256,22.606
  region net Y_MOT_1B: 36.142,43.079 37.842,43.079 37.842,41.4 40.1,41.4 40.1,48.379 36.142,48.379 36.142,47.079 37.842,47.079 37.842,44.379 36.142,44.379
  region net +5V: 72.25,30.6 72.25,32.9 86.6,32.9 86.6,30.6
  region net HB_GND: 85.2,18.85 80.8,18.85 80.8,14.2 85.2,14.2
  region net VIN1: 86.9,21.2 86.9,23 89.3,23 89.3,24.7 91.1,24.7 91.1,21.95 90.35,21.2
  region net GND: 87.7,30.6 87.05,31.25 87.05,35.7 88.9,35.7 88.9,33.75 89.5,33.15 92.4,33.15 92.4,30.8 92.2,30.6
Power Plane:
  region net VIN1: 69.3,36.25 69.3,33.5 72.3,33.5 72.3,36.25
  region net VIN1: 67,15.5 72.5,15.5 72.5,14 67,14
  region net VIN1: 89.3,20.8 89.3,23 89.3,24.7 91.1,24.7 91.1,20.8
  region net +5V: 77.3,30.55 77.3,32.829 86.6,32.829 86.6,30.55
Solder Side:
  rectangle net NetI2C_1: 24.05,4.65 24.4,4.9
  rectangle net NetF1_1: 90,34.5 90.2,34.8
  rectangle net NetFANS_6: 60.075,9.75 62.575,15.45
  rectangle net +5V: 72.65,30.646 86.387,32.871
  rectangle net NetFANS_2: 52.455,9.75 54.955,15.45
  rectangle net NetFANS_4: 56.265,9.75 58.765,15.45
  region net E1_MOT_2B: 80.264,51.689 81.661,51.689 82.931,50.419 84.9,50.419 84.9,43.625 84.582,43.307 81.661,43.307 81.661,47.244 80.264,48.641
  region net E1_MOT_1A: 91.186,51.689 90.551,51.689 89.281,50.419 87.229,50.419 87.229,41 91.186,41
  region net E1_MOT_1B: 95.25,41.529 91.44,41.529 91.44,53.213 93.218,53.213 95.25,51.181
  region net E0_MOT_1B: 76.708,41.529 72.898,41.529 72.898,53.213 74.676,53.213 76.708,51.181
  region net E0_MOT_1A: 72.644,51.689 72.009,51.689 70.739,50.419 68.687,50.419 68.687,41 72.644,41
  region net E0_MOT_2B: 61.722,51.689 63.119,51.689 64.389,50.419 66.4,50.419 66.4,43.667 66.04,43.307 63.119,43.307 63.119,47.244 61.722,48.641
  region net Z_MOT_2B: 43.18,51.689 44.577,51.689 45.847,50.419 47.8,50.419 47.8,43.609 47.498,43.307 44.577,43.307 44.577,47.244 43.18,48.641
  region net Z_MOT_1A: 54.102,51.689 53.467,51.689 52.197,50.419 50.145,50.419 50.145,41 54.102,41
  region net Z_MOT_1B: 58.166,41.529 54.356,41.529 54.356,53.213 56.134,53.213 58.166,51.181
  region net X_MOT_2B: 6.096,51.689 7.493,51.689 8.763,50.419 10.8,50.419 10.8,43.693 10.414,43.307 7.493,43.307 7.493,47.244 6.096,48.641
  region net X_MOT_1A: 17.018,51.689 16.383,51.689 15.113,50.419 13.061,50.419 13.061,40.9 17.018,40.9
  region net X_MOT_1B: 21.082,41.529 17.272,41.529 17.272,53.213 19.05,53.213 21.082,51.181
  region net Y_MOT_1B: 39.624,41.529 35.814,41.529 35.814,53.213 37.592,53.213 39.624,51.181
  region net Y_MOT_1A: 35.56,51.689 34.925,51.689 33.655,50.419 31.603,50.419 31.603,41 35.56,41
  region net Y_MOT_2B: 24.638,51.689 26.035,51.689 27.305,50.419 29.3,50.419 29.3,43.651 28.956,43.307 26.035,43.307 26.035,47.244 24.638,48.641
  region net HB_GND: 85.2,19 80.8,19 80.8,14.2 85.2,14.2
  region net Y_MOT_2A: 22.352,48.387 22.352,41.6 22.752,41.2 26.162,41.2 26.162,43.053 25.781,43.053 25.781,46.99 24.384,48.387 24.384,53 22.352,53
  region net X_MOT_2A: 3.86,48.337 3.86,41.55 4.26,41.15 7.67,41.15 7.67,43.003 7.289,43.003 7.289,46.94 5.892,48.337 5.892,52.8 3.86,52.8
  region net Z_MOT_2A: 40.944,48.337 40.944,41.55 41.344,41.15 44.754,41.15 44.754,43.003 44.373,43.003 44.373,46.94 42.976,48.337 42.976,52.95 40.944,52.95
  region net E0_MOT_2A: 59.486,48.337 59.486,41.55 59.886,41.15 63.296,41.15 63.296,43.003 62.915,43.003 62.915,46.94 61.518,48.337 61.518,52.95 59.486,52.95
  region net E1_MOT_2A: 77.978,48.387 77.978,41.6 78.378,41.2 81.788,41.2 81.788,43.053 81.407,43.053 81.407,46.99 80.01,48.387 80.01,53 77.978,53

## Silkscreen, mask and mechanical layers (free items; w line width, h text height)
Top Overlay:
  drawing of 100 lines, arcs and shapes, not listed
  text "X-STOP" at 18.884,56.288 h0.9
  text "Y-STOP" at 37.426,56.288 h0.9
  text "Z-STOP" at 55.968,56.288 h0.9
  text "E-STOP" at 74.51,56.288 h0.9
  text "X" at 10.418,53.154 h1.4
  text "Y" at 28.96,53.154 h1.4
  text "Z" at 47.502,53.154 h1.4
  text "E0" at 66.044,53.154 h1.4
  text "E1" at 84.586,53.154 h1.4
  text "SPI" at 3.609,47.093 h0.9 r270
  text "Z-PROBE" at 96.842,43.661 h1 r90
  text "ESP_PROG" at 1.214,36.883 h0.9
  text "PS_ON" at 81.697,36.585 h0.9
  text "BOOT" at 47.66,36.077 h0.9
  text "RESET" at 28.1,32.25 h0.9
  text "SWD" at 46.045,31.93 h0.9
  text "3V" at 57.221,31.93 h0.9
  text "5V" at 59.761,31.93 h0.9
  text "STATUS" at 38.9,31.75 h0.9
  text "+" at 56.618,29.855 h1.5 r90
  text "-" at 56.37,28.56 h1.5 r180
  text "VIN" at 62.005,25.321 h0.9
  text "T0" at 47.18,23.495 h1
  text "T1" at 52.387,23.495 h1
  text "T2" at 57.34,23.495 h1
  text "T3" at 62.42,23.495 h1
  text "EXP3" at 94.3,22.5 h1 r90
  text "POWER" at 68.5,20.4 h1
  text "5V" at 66.7,19.7 h1 r270
  text "HB" at 77.9,19.1 h1
  text "3V" at 74.121,18.88 h0.9
  text "HE0" at 44.831,18.034 h1
  text "HE1" at 48.768,18.034 h1
  text "F0" at 52.832,18.034 h1
  text "F1" at 56.896,18.034 h1
  text "F2" at 60.452,18.034 h1
  text "5V" at 74.121,17.48 h0.9
  text "VIN" at 74.121,16.08 h0.9
  text "VIN" at 66.7,14.7 h1 r270
  text "PicoPrint" at 22.35,11.05 h1.25
  text "MAIN-PWR" at 64.673,10.6 h1
  text "HB-PWR" at 76.173,10.6 h1
  text "HB-OUT" at 85.373,10.6 h1
  text "I2C" at 39.65,10.4 h1
  text "by Aus3D" at 24.25,9.85 h0.8
  text "EXP1" at 15.95,7.55 h1
  text "EXP2" at 25.1,7.55 h1
  text "+" at 61.025,0.392 h1.7
  text "-" at 58.485,0.372 h1.7
  text "-" at 43.943,0.209 h2
  text "+" at 47.523,0.209 h2
  text "-" at 50.943,0.209 h2
  text "+" at 54.523,0.209 h2
  text "-" at 65.111,0.209 h2
  text "+" at 70.191,0.209 h2
  text "-" at 75.111,0.209 h2
  text "+" at 80.191,0.209 h2
  text "-" at 85.111,0.209 h2
  text "+" at 90.191,0.209 h2
Bottom Overlay:
  circle w0.254: c90.826,1.225 r1.092
  circle w0.254: c80.826,1.225 r1.092
  circle w0.254: c70.826,1.225 r1.092
  circle w0.254: c61.59,1.248 r0.9
  circle w0.254: c55.158,1.225 r1.092
  circle w0.254: c48.158,1.225 r1.092
  rectangle: 88.286,0 89.81,2.55
  rectangle: 91.842,0 93.5,2.55
  rectangle: 89.81,0 91.969,0.209
  rectangle: 89.81,2.213 91.969,2.55
  rectangle: 89.81,1.86 90.064,2.213
  rectangle: 91.588,1.86 91.842,2.241
  rectangle: 91.588,0.209 91.969,0.59
  rectangle: 89.556,0.209 90.064,0.59
  rectangle: 90.064,2.114 90.191,2.5
  rectangle: 91.461,2.129 91.778,2.241
  rectangle: 89.937,0 90.191,0.288
  rectangle: 91.41,0.209 91.588,0.336
  rectangle: 81.41,0.209 81.588,0.336
  rectangle: 79.937,0 80.191,0.288
  rectangle: 81.461,2.129 81.778,2.241
  rectangle: 80.064,2.114 80.191,2.5
  rectangle: 79.556,0.209 80.064,0.59
  rectangle: 81.588,0.209 81.969,0.59
  rectangle: 81.588,1.86 81.842,2.241
  rectangle: 79.81,1.86 80.064,2.213
  rectangle: 79.81,2.213 81.969,2.55
  rectangle: 79.81,0 81.969,0.209
  rectangle: 81.842,0 83.5,2.5
  rectangle: 78.286,0 79.81,2.55
  rectangle: 71.41,0.209 71.588,0.336
  rectangle: 69.937,0 70.191,0.288
  rectangle: 71.461,2.129 71.778,2.241
  rectangle: 70.064,2.114 70.191,2.5
  rectangle: 69.556,0.209 70.064,0.59
  rectangle: 71.588,0.209 71.969,0.59
  rectangle: 71.588,1.86 71.842,2.241
  rectangle: 69.81,1.86 70.064,2.213
  rectangle: 69.81,2.213 71.969,2.55
  rectangle: 69.81,0 71.969,0.209
  rectangle: 71.842,0 73.5,2.5
  rectangle: 68.286,0 69.81,2.55
  rectangle: 42.5,2.35 88.8,2.55
  rectangle: 42.9,0 88.5,0.2
  rectangle: 62.124,0.232 62.302,0.359
  rectangle: 60.651,0 60.905,0.311
  rectangle: 62.175,2.152 62.492,2.264
  rectangle: 60.778,2.137 60.905,2.523
  rectangle: 60.27,0.232 60.778,0.613
  rectangle: 62.302,0.232 62.683,0.613
  rectangle: 62.302,1.883 62.556,2.264
  rectangle: 60.524,1.883 60.778,2.236
  rectangle: 60.524,2.236 62.683,2.523
  rectangle: 60.524,0 62.683,0.232
  rectangle: 62.656,0 62.965,2.523
  rectangle: 60.251,0 60.524,2.523
  rectangle: 55.742,0.209 55.92,0.336
  rectangle: 54.269,0 54.523,0.288
  rectangle: 55.793,2.129 56.11,2.241
  rectangle: 54.396,2.114 54.523,2.5
  rectangle: 53.888,0.209 54.396,0.59
  rectangle: 55.92,0.209 56.301,0.59
  rectangle: 55.92,1.86 56.174,2.241
  rectangle: 54.142,1.86 54.396,2.213
  rectangle: 54.142,2.213 56.301,2.5
  rectangle: 54.142,0 56.301,0.209
  rectangle: 56.174,0 57.8,2.5
  rectangle: 53.331,0 54.142,2.5
  rectangle: 46.331,0 47.142,2.5
  rectangle: 49.174,0 50.1,2.5
  rectangle: 47.142,0 49.301,0.209
  rectangle: 47.142,2.213 49.301,2.5
  rectangle: 47.142,1.86 47.396,2.213
  rectangle: 48.92,1.86 49.174,2.241
  rectangle: 48.92,0.209 49.301,0.59
  rectangle: 46.888,0.209 47.396,0.59
  rectangle: 47.396,2.114 47.523,2.5
  rectangle: 48.793,2.129 49.11,2.241
  rectangle: 47.269,0 47.523,0.288
  rectangle: 48.742,0.209 48.92,0.336
  rectangle: 42.5,0 43.1,2.5
  region: 61.8,2.3 62.3,1.72 62.48,1.248 62.134,0.616 61.72,0.36 61.65,0.05 62.48,0.18 62.57,0.18 62.865,0.475 62.88,2.3
  region: 61.4,2.3 60.89,1.72 60.71,1.248 61.056,0.616 61.47,0.36 61.54,0.05 60.71,0.18 60.62,0.18 60.325,0.475 60.31,2.3
  lines w0.2: 89.789,19.05 89.789,32.004
  lines w0.203: 59.396,39.773 83.602,39.773 ; 59.624,51.636 83.602,51.636
  text "BOARD MODEL" at 83.576,49.909 h1.02
  text "PicoPrint" at 83.449,47.953 h1.4
  text "V0.2A" at 63.104,47.648 h1.02
  text "....................................................." at 83.449,47.14 h0.55 r180
  text "OPEN SOURCE" at 83.5,45.083 h1.07
  text "3D PRINTER ELECTRONICS" at 83.5,43.457 h1.02
  text "....................................................." at 83.449,42.644 h0.55 r180
  text "WWW.AUS3D.COM.AU" at 83.5,40.663 h1.02
  text "ENDSTOPS" at 92.8,36.5 h0.6
  text "3V" at 89.95,35.5 h0.6
  text "5V" at 91.95,35.5 h0.6
  text "GND" at 89.131,30.734 h0.9
  text "+5V" at 92.838,30.734 h0.9
  text "PE12" at 89.131,29.464 h0.9
  text "PE13" at 93.672,29.464 h0.9
  text "PE14" at 89.131,28.194 h0.9
  text "PE0" at 92.838,28.194 h0.9
  text "PE7" at 89.131,26.924 h0.9
  text "PC13" at 93.672,26.924 h0.9
  text "PC14" at 89.131,25.654 h0.9
  text "PC15" at 93.672,25.654 h0.9
  text "PE5" at 89.131,24.384 h0.9
  text "PE4" at 92.838,24.384 h0.9
  text "ESP8266" at 13.4,24.3 h1.5
  text "PE6" at 89.131,23.114 h0.9
  text "PE1" at 92.505,23.114 h0.9
  text "PE2" at 89.131,21.844 h0.9
  text "PE3" at 92.838,21.844 h0.9
  text "SDA" at 89.131,20.554 h0.9
  text "SCL" at 92.838,20.554 h0.9
  text "GND" at 89.131,19.254 h0.9
  text "VIN" at 92.672,19.254 h0.9
  text "5V" at 62.318,16.749 h0.9
  text "FANS" at 62.318,15.459 h0.9
  text "VIN" at 62.318,14.169 h0.9
  text "HE1" at 47.8,9.8 h1
  text "HE0" at 54.8,9.8 h1
  text "FANS" at 62.2,9.8 h1
  text "MAIN-PWR" at 72,9.8 h1
  text "HB-PWR" at 81.1,9.8 h1
  text "HB-OUT" at 91.1,9.8 h1
  text "3V" at 24.7,5.6 h0.6
  text "I2C" at 26.5,4.182 h0.6
  text "5V" at 24.7,2.6 h0.6
  text "+" at 61.025,0.392 h1.7
  text "-" at 58.485,0.372 h1.7
  text "-" at 43.993,0.209 h2
  text "+" at 47.523,0.209 h2
  text "-" at 50.943,0.209 h2
  text "+" at 54.523,0.209 h2
  text "-" at 65.111,0.209 h2
  text "+" at 70.191,0.209 h2
  text "-" at 75.111,0.209 h2
  text "+" at 80.191,0.209 h2
  text "-" at 85.111,0.209 h2
  text "+" at 90.191,0.209 h2
Mechanical 4:
  the board outline again, w0.1
Mechanical 15:
  lines w0.254: 15.24,33 97.536,33 97.536,52.578

## Text inside footprints (layer, text, board x,y; h text height)
A1: Mechanical 13 "CUTOUT POLYGON" at -6.591,32.785 h0.25 r90; Mechanical 13 "ANTENNA AREA" at -7.099,32.785 h0.25 r90